# Altium PCB PCB.PcbDoc (part 1 of 10) (continued)
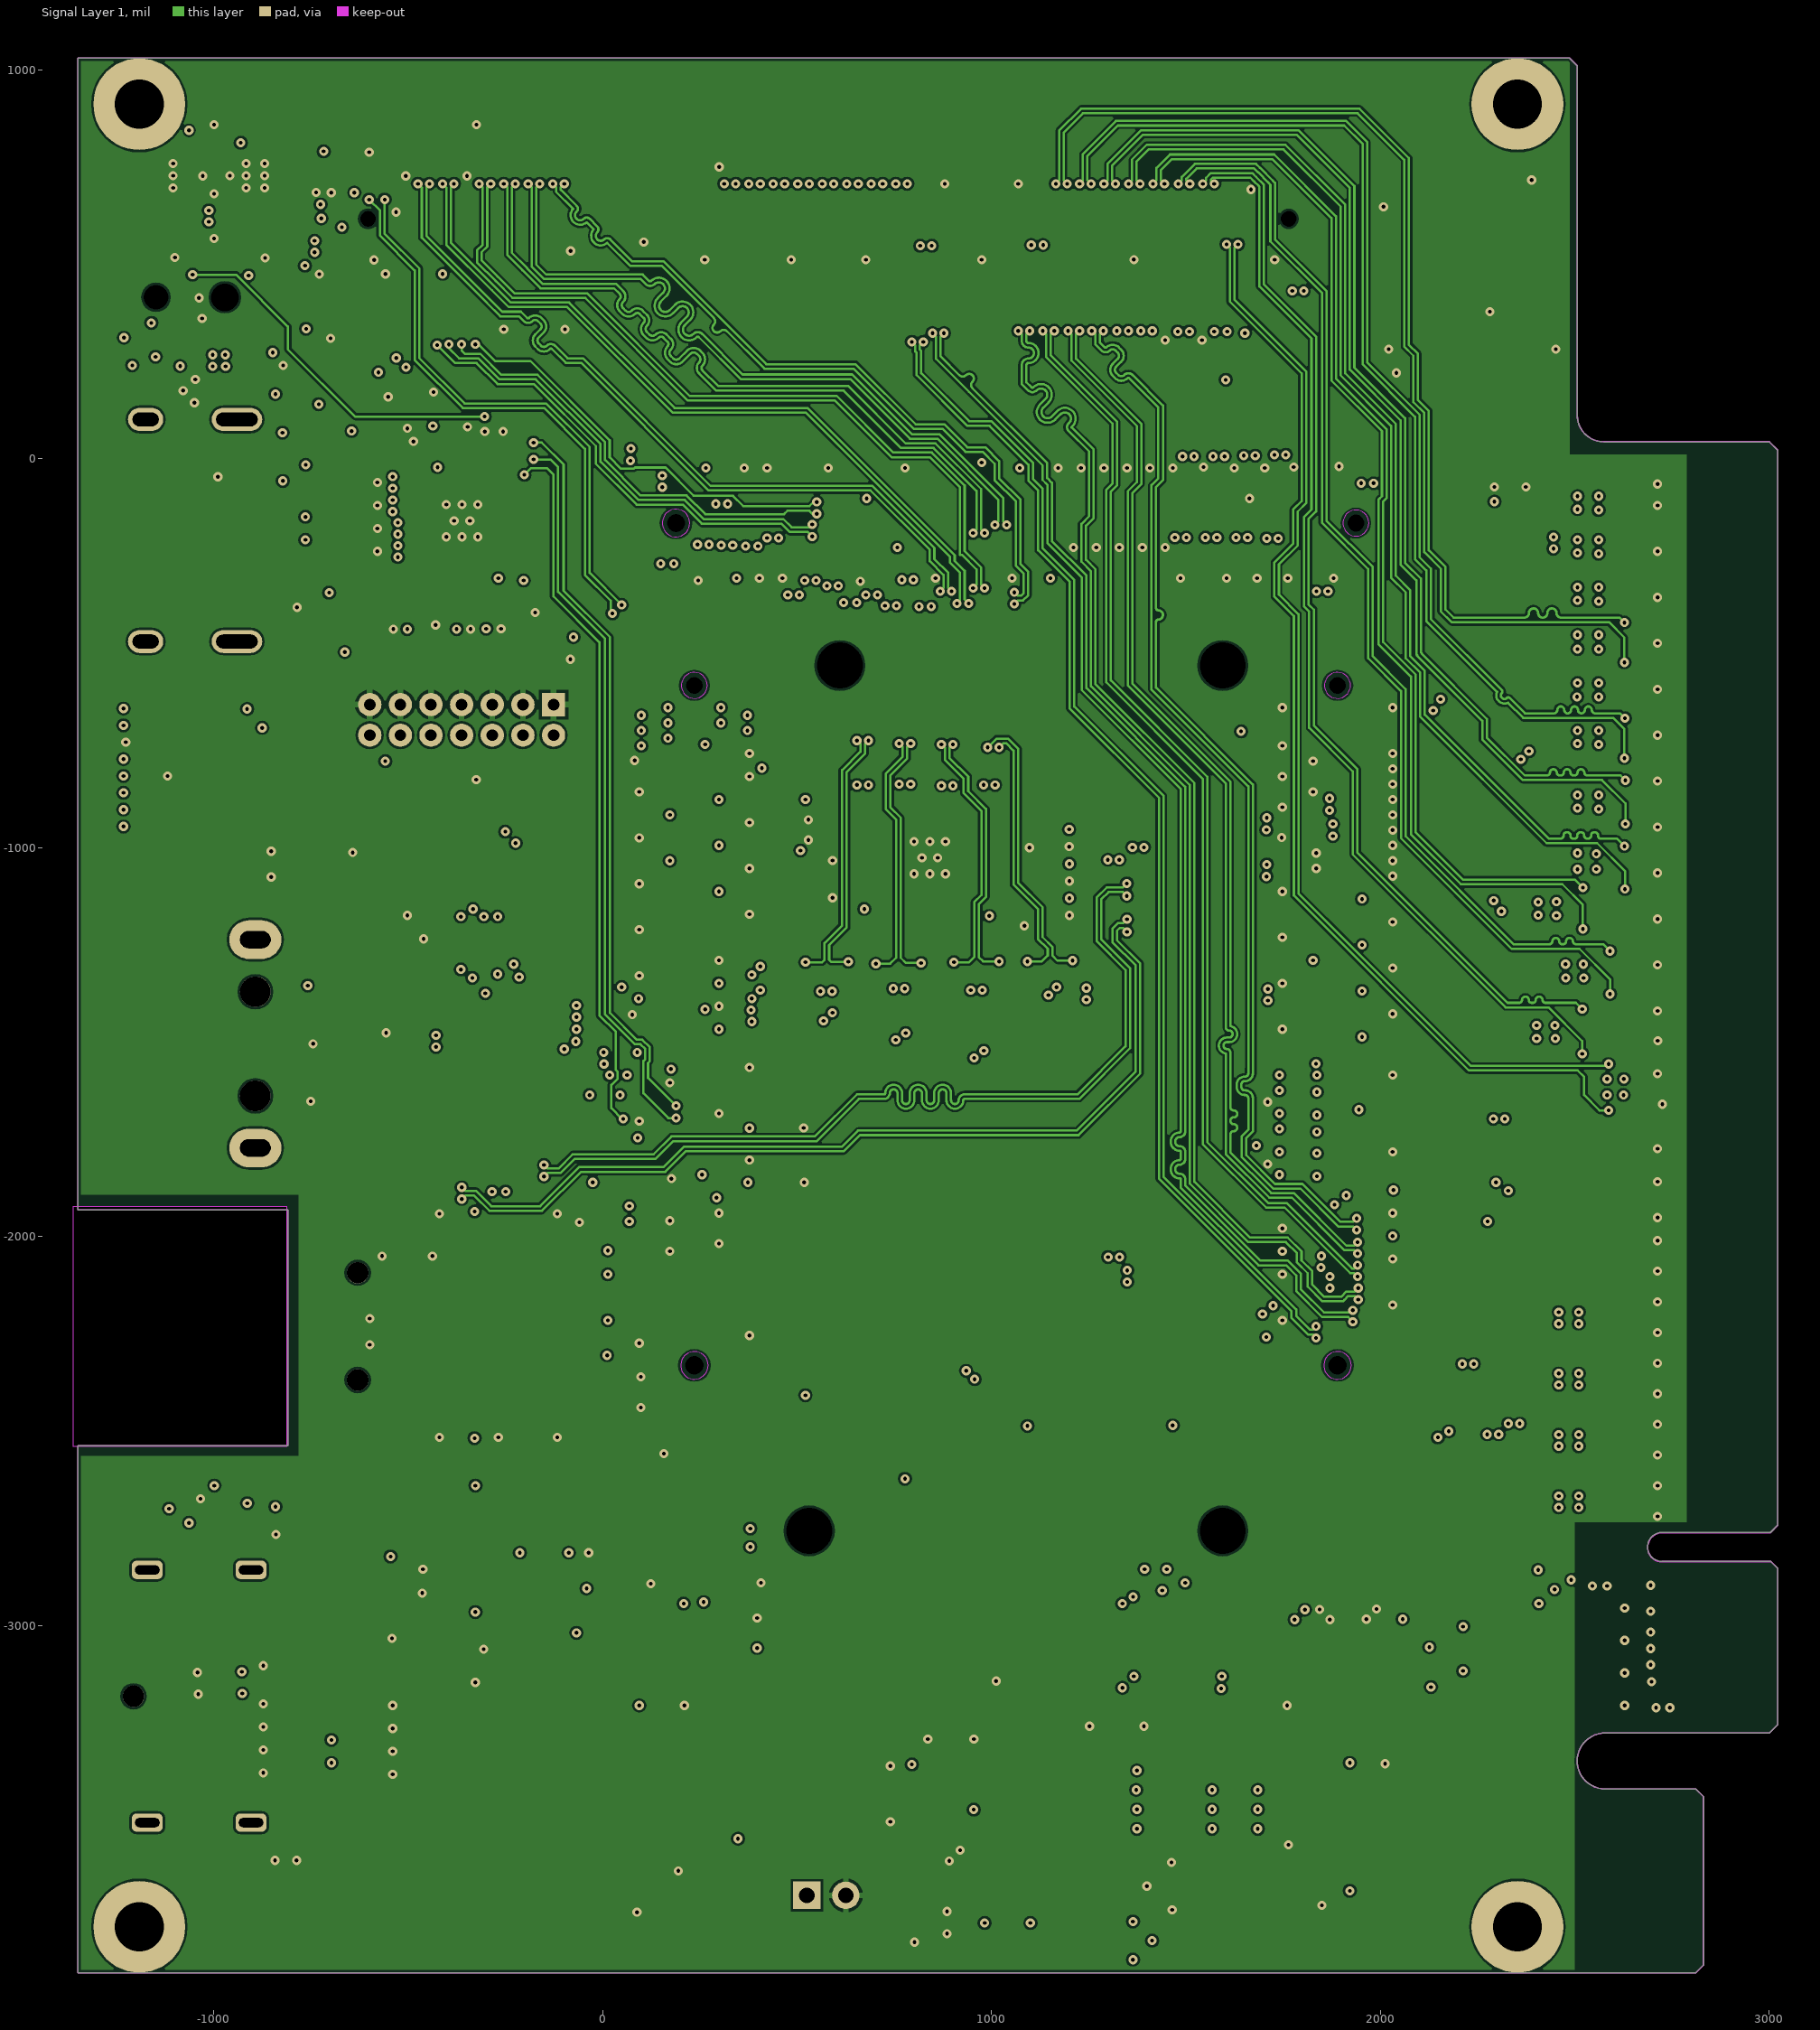
[diagram p3: Signal Layer 1]
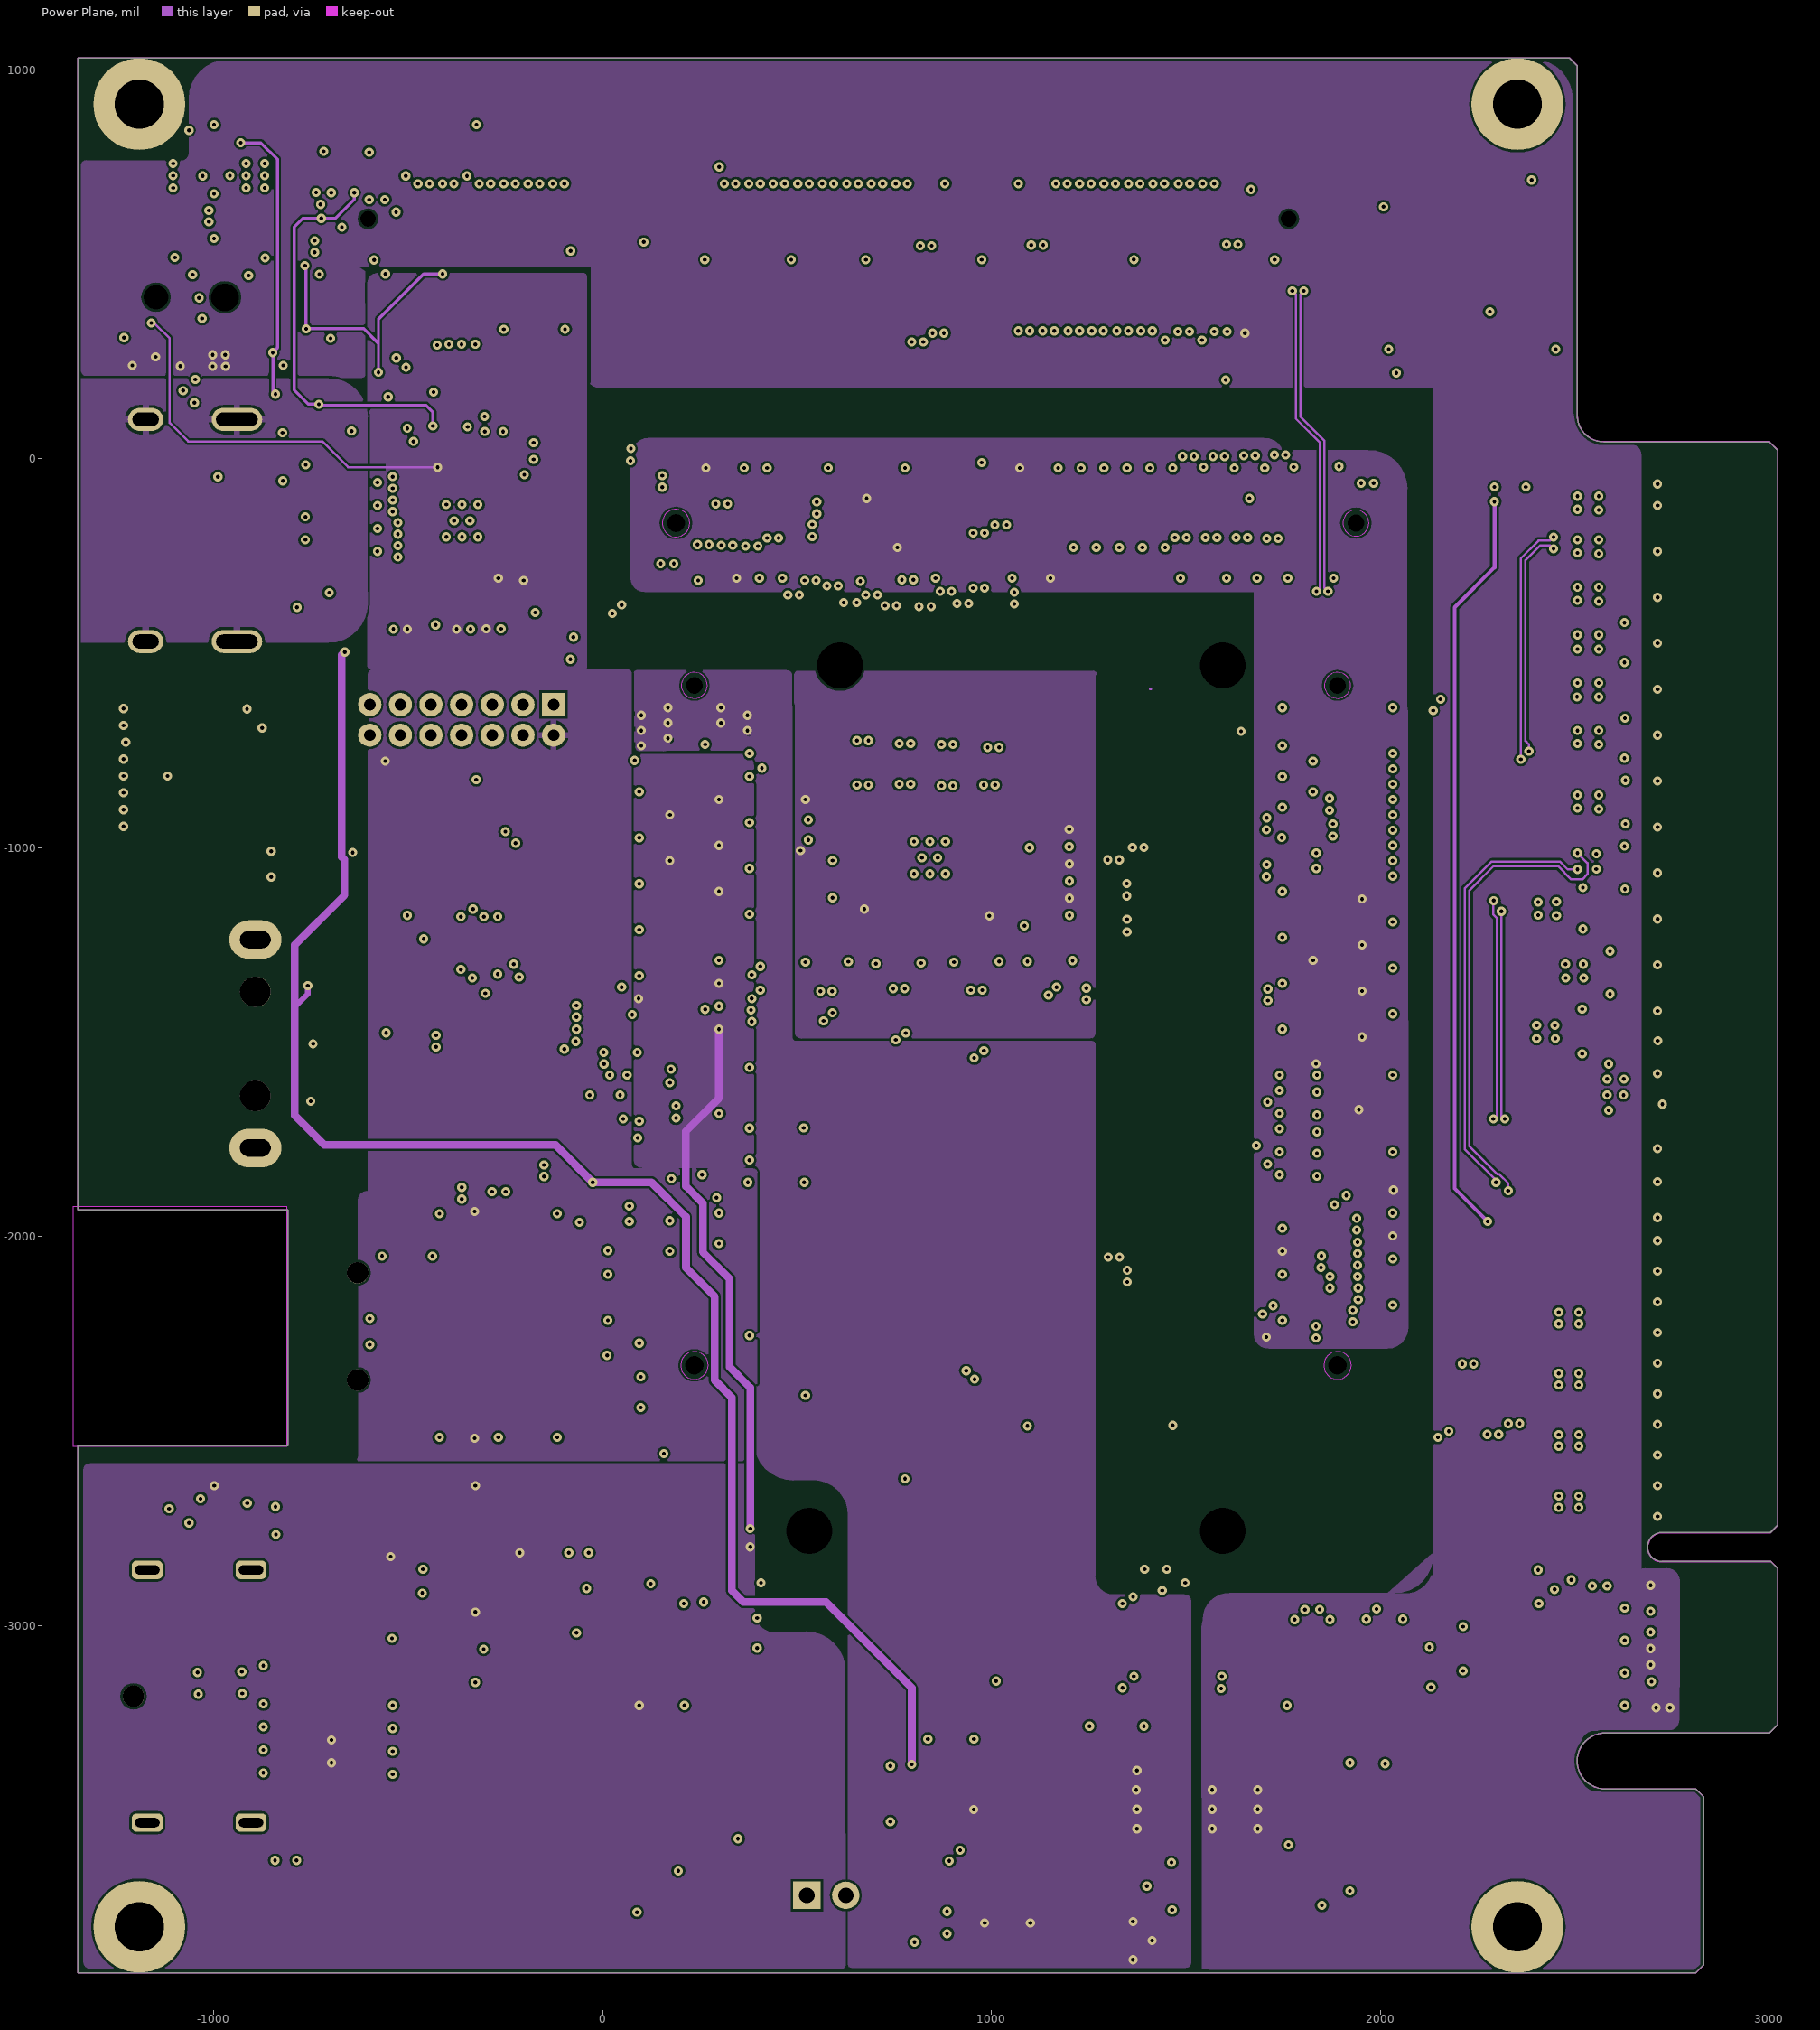
[diagram p4: Power Plane]
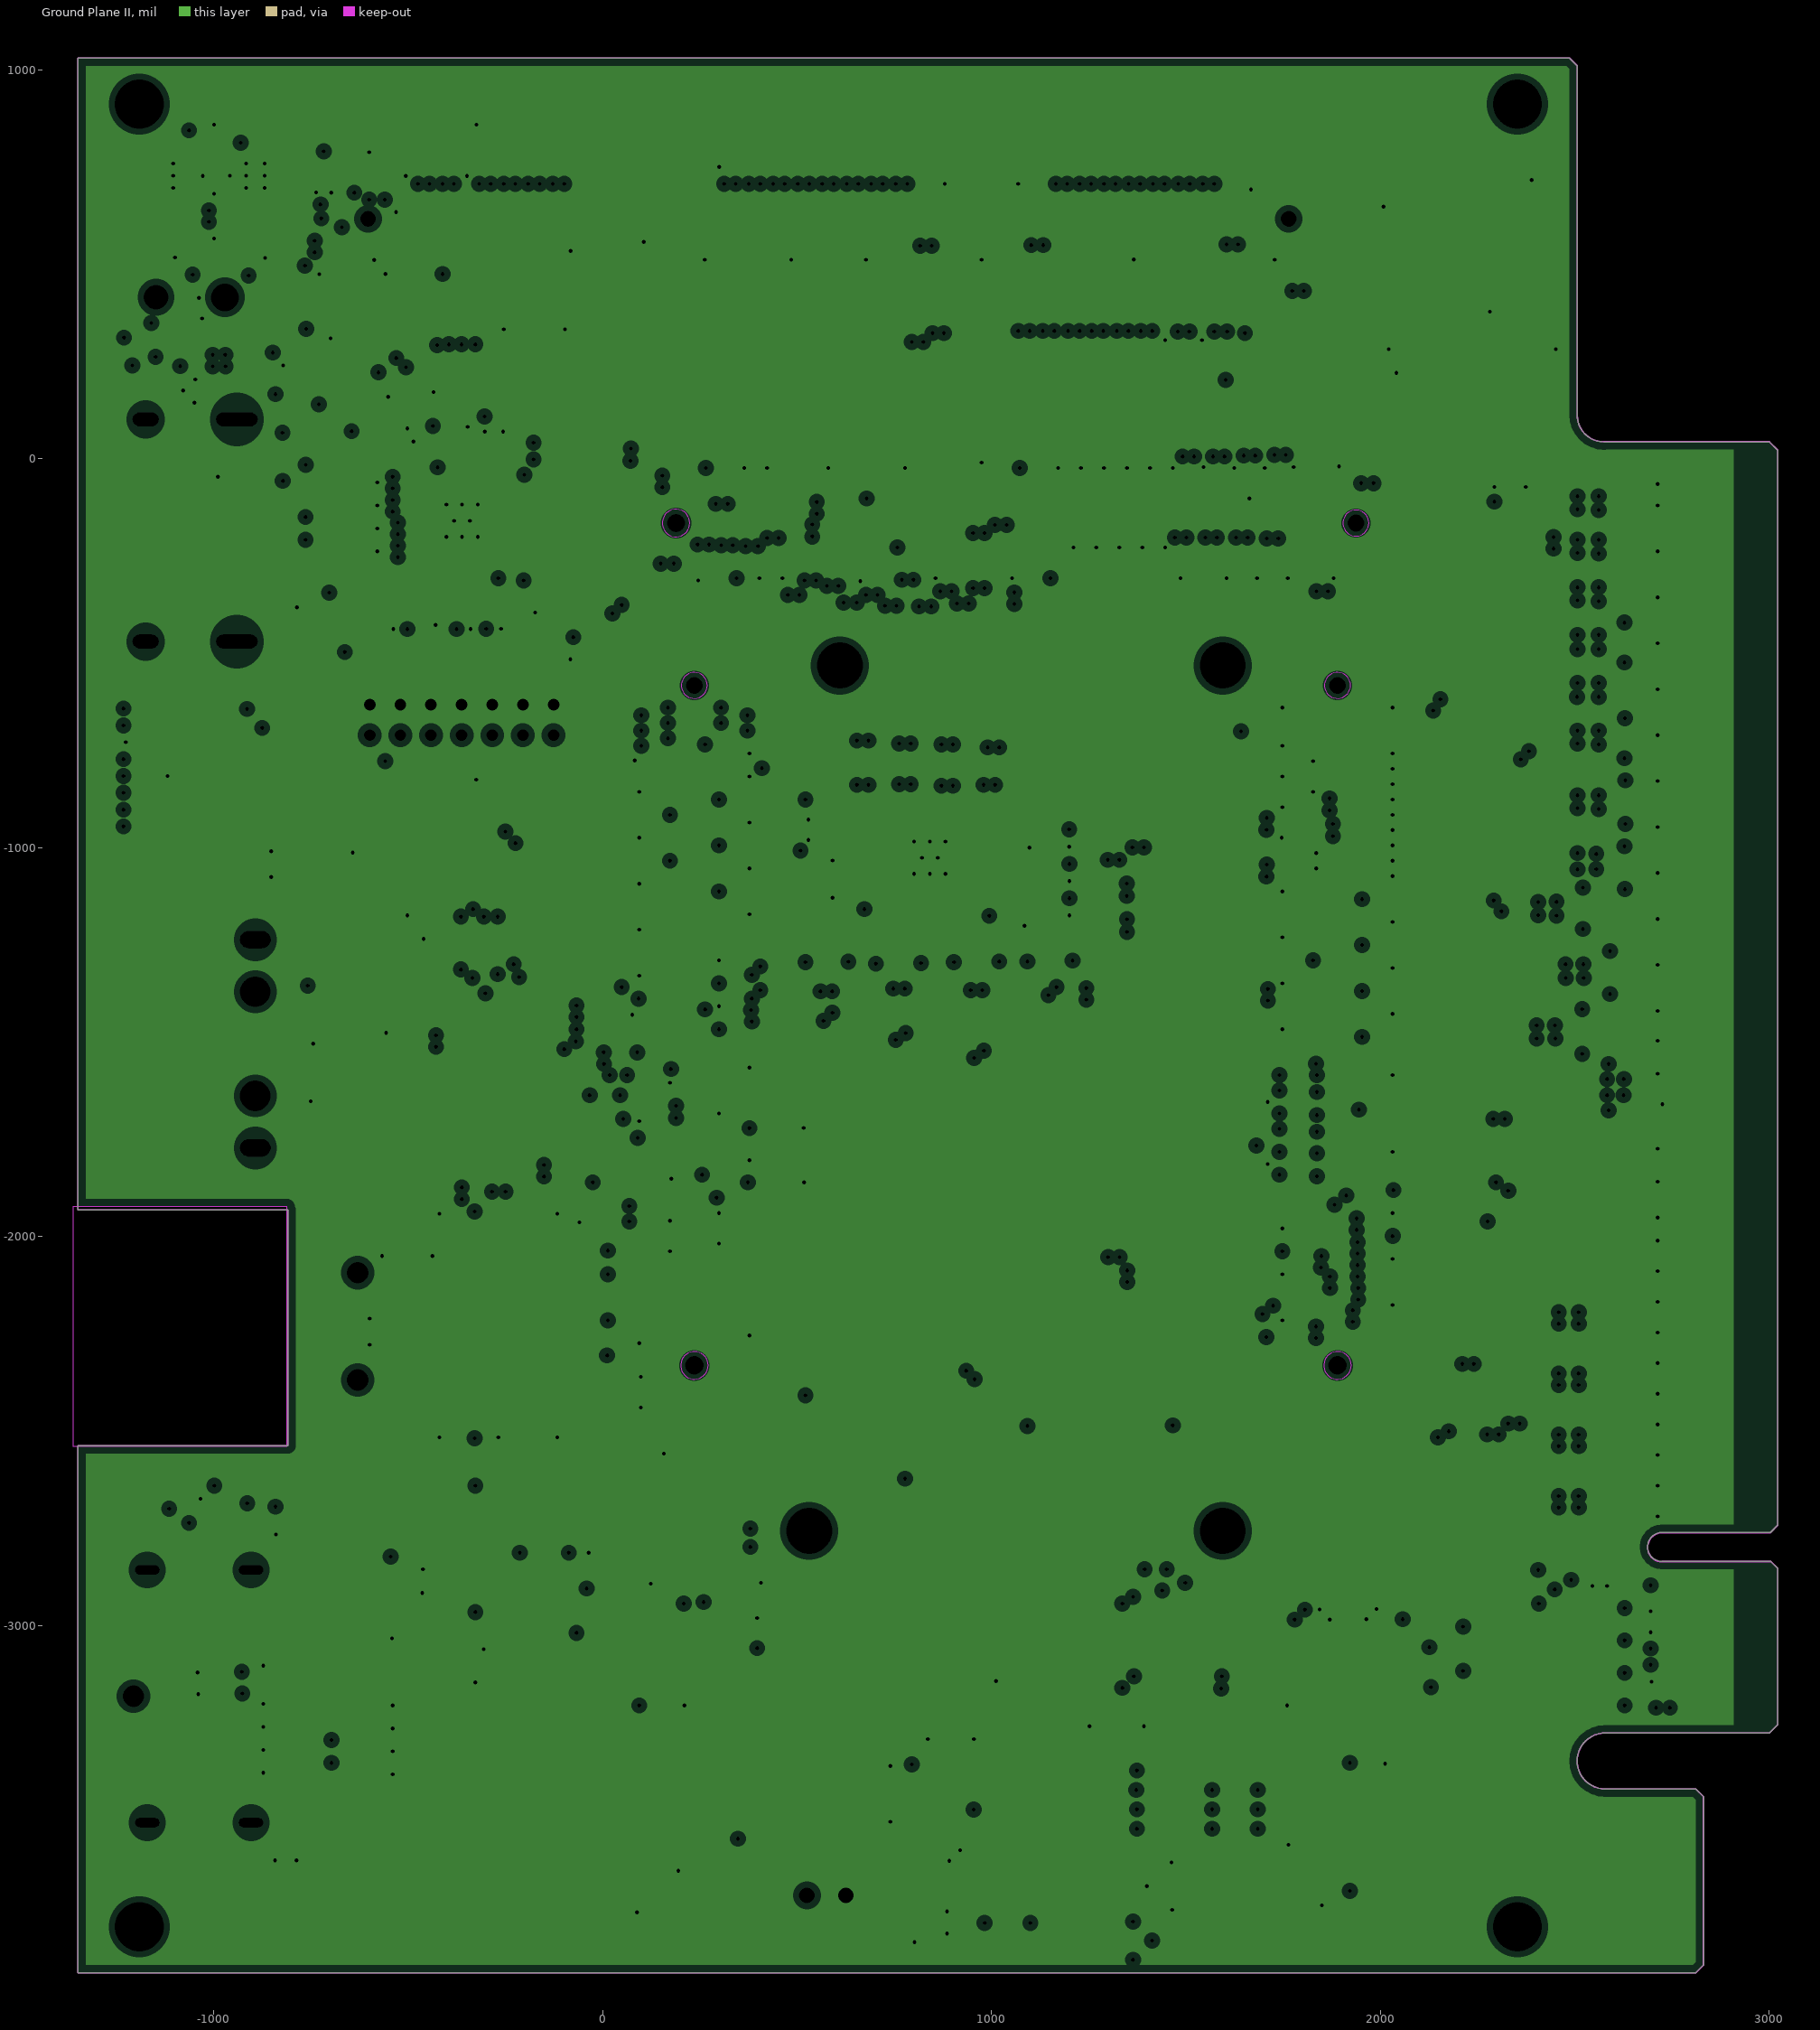
[diagram p5: Ground Plane II, clearances drawn from the general rule]

## Layer stack, top to bottom
Top Solder: solder mask 0.3937, Solder Resist, Dk 3.5
Component Side: signal copper 1.378
Dielectric 1: prepreg 6.2992, FR-4, Dk 4.6
Ground Plane I: plane copper 0.7087, net GND
Dielectric 6: prepreg 12.5984, Dk 4.6
Signal Layer 1: signal copper 0.7087
Dielectric 7: core 25.5906, Dk 4.6
Power Plane: signal copper 0.7087
Dielectric 4: prepreg 1.2598, Dk 4.6
Ground Plane II: plane copper 0.7087, net GND
Dielectric 3: prepreg 6.2992, Dk 4.6
Solder Side: signal copper 1.378
Bottom Solder: solder mask 0.3937, Solder Resist, Dk 3.5

## Board outline
-1348.43,-3891.73 -1348.43,-2537.4 -809.06,-2537.4 -809.06,-1931.1 -1348.43,-1931.1 -1348.43,1029.53 2486.22,1029.53 2505.91,1009.84 2505.91,112.2 ccw(c2574.8,112.2) 2574.8,43.31 3000,43.31 3021.65,21.65 3021.65,-2741.14 3002.95,-2759.84 2724.42,-2759.84 2724.41,-2759.84 ccw(c2724.4,-2797.24) 2724.4,-2834.65 3003.94,-2834.65 3021.65,-2852.36 3021.65,-3253.94 3000,-3275.59 2577.76,-3275.59 ccw(c2577.76,-3347.44) 2577.76,-3419.29 2811.02,-3419.29 2830.71,-3438.98 2830.71,-3872.05 2811.02,-3891.73

## Design rules (kind name [scope] priority, off if disabled: settings)
Clearance DiffPair_Clearance [All] p1 off: gap=60
Clearance Clearance-xPP-xTP-xTT [All] p2: gap=5.91
ComponentClearance [All] p1 off: gap=9.84 collisioncheckmode=3 verticalgap=9.84 showdistances=FALSE
DiffPairsRouting [All] p1: maxlimit=9.84 minlimit=5.91 mostfreqgap=5.91 toplayer_minwidth=5.91 toplayer_maxwidth=5.91 toplayer_prefwidth=5.91 midlayer1_minwidth=5.91 midlayer1_maxwidth=5.91 midlayer1_prefwidth=5.91 midlayer2_minwidth=5.91 midlayer2_maxwidth=5.91 midlayer2_prefwidth=5.91 bottomlayer_minwidth=5.91 bottomlayer_maxwidth=5.91 bottomlayer_prefwidth=5.91 maxuncoupledlength=492.13
Height [All] p1: minheight=0 maxheight=984.25 prefheight=492.13
HoleSize HoleSize-PTH [All] p1: absolutevalues=TRUE maxlimit=1102.36 minlimit=9.84 maxpercent=80.000 minpercent=20.000
HoleToHoleClearance [All] p1: gap=5.91 allowstackedmicrovias=TRUE
MinimumAnnularRing [All] p1: minimumring=3.94
MinimumSolderMaskSliver [All] p1: minsoldermaskwidth=0
PlaneClearance PlaneClearance-IPI [All] p1: clearance=15.75
PlaneConnect [All] p1: planeconnectstyle=Direct reliefexpansion=15.75 reliefentries=4 reliefconductorwidth=7.87 reliefairgap=7.87
PolygonConnect PolygonConnect-Vias [isVia] p1: connectstyle=Direct reliefconductorwidth=7.87 reliefentries=4 polygonreliefangle="90 Angle" airgapwidth=10
PolygonConnect PolygonConnect_Supplies [All vs OnLayer('Supply')] p2: connectstyle=Direct reliefconductorwidth=7.87 reliefentries=4 polygonreliefangle="90 Angle" airgapwidth=10
PolygonConnect PolygonConnect-xTW [All] p3: connectstyle=Relief reliefconductorwidth=15.75 reliefentries=4 polygonreliefangle="90 Angle" airgapwidth=7.87
RoutingCorners [All] p1: cornerstyle=45-Degree minsetback=98.43 maxsetback=98.43
RoutingVias [All] p1: holewidth=9.84 width=23.62 viastyle="Through Hole" minholewidth=9.84 minwidth=23.62 maxholewidth=9.84 maxwidth=23.62
SilkToBoardRegionClearance [All] p1 off:
SilkToSilkClearance [All] p1: silktosilkclearance=3.94
SilkToSolderMaskClearance [IsPad] p1 off: minsilkscreentomaskgap=3.54 clearancetoexposedcopper=TRUE
SolderMaskExpansion SolderMaskExpansionVias [isVia] p1: expansion=-23.62
SolderMaskExpansion [All] p2: expansion=5.91
Width Width-xTW [All] p1: maxlimit=59.06 minlimit=5.91 preferedwidth=7.87 toplayer_prefwidth=5.91 midlayer1_prefwidth=5.91 bottomlayer_prefwidth=5.91 minimp=50.000000 maximp=50.000000 favimp=50.000000
17 further rules are at their usual default settings.

## Classes and differential pairs
net class PREPROC_MGT: DP0_M2C_N DP0_M2C_P DP1_M2C_N DP1_M2C_P DP2_M2C_N DP2_M2C_P DP3_M2C_N DP3_M2C_P NetJ1_B15 NetJ1_B16 NetJ1_B19 NetJ1_B20 NetJ1_B23 NetJ1_B24 NetJ1_B27 NetJ1_B28
component class Sensor-Connector: J2
component class SoM-MGTH: C18 C47 C48 IC6 M3
component class Backplane-Connector: BS0 BS1 BS2 BS3 C1 C2 C3 C4 C5 C6 C7 C8 C9 C10 C12 C13 C19 C20 C33 C36 C37 C59 C60 C61 C62 C63 C64 C65 C66 C67 C68 C69 C70 C71 C72 C73 IC1 J1 R1 R2 R44 R46 R48 R56 R57 R60 R61 R79 R80 R81 R82 R83 R84 R85 R86 R87 R107 R108 R109 R110
net class PROC_LVDS: PREPROC_LVDS_10_N PREPROC_LVDS_10_P PREPROC_LVDS_11_N PREPROC_LVDS_11_P PREPROC_LVDS_12_N PREPROC_LVDS_12_P PREPROC_LVDS_13_N PREPROC_LVDS_13_P PREPROC_LVDS_14_N PREPROC_LVDS_14_P PREPROC_LVDS_15_N PREPROC_LVDS_15_P PROC_LVDS_9_N PROC_LVDS_9_P
component class Interfaces: C15 C21 C22 C35 C95 C96 D3 D4 D6 DONE J4 J5 JTAG L3 L4 L5 L6 LED1 LED4 POR Q1 Q2 R6 R7 R8 R9 R12 R13 R16 R17 R18 R19 R20 R21 R42 R43 R47 R49 R50 R51 R52 R53 R54 R90 R94 RA1 RST T1
component class SoM-Connectors: M1 M2 R55 R58 SP1 SP2 SP3 SP4 Z1
component class HDMI: C11 C14 C16 C17 C31 C32 C34 C79 C80 C81 C82 C83 C84 C85 C86 C87 C88 C89 C90 C91 C92 D1 IC2 IC8 IC9 J7 L1 L7 R4 R5 R10 R11 R14 R15 R22 R62 R63 R64 R65 R66 R67 R68 R69 R70 R71 R72 R73 R74 R75 R76 R77 R78 R88 R89 R95 R96 R97 R98 R99 R100 R101 R102 R103 R104 R105 R106 TP1 TP2
component class Supplies: BAT C23 C24 C25 C26 C27 C30 C52 FAN FAN1 IC5 IC7 J3 L2 LED3 LED5 Q4 R3 R37 R38 R39 R40 R41 R59 R111 T2 T3
component class Debug: C49 C50 C53 C54 C55 C56 C57 C74 C75 C76 C77 C78 C97 D8 D9 D10 DEBUG IC3 IC4 L9 PWR_USB R35 R36 R45 R91 R92 R93 Y1
component class Display-Port: C28 C29 C39 C40 C41 C42 C43 C44 C45 C46 D2 D7 IC10 IC12 IC13 J6 R23 R24 R25 R26 R27 R28 R29 R30 R31 R32 R33 R34
differential pair LVDS_CLK_S2: +LVDS_CLK_S2_P -LVDS_CLK_S2_N
differential pair LVDS_CLK_S1: +LVDS_CLK_S1_P -LVDS_CLK_S1_N
differential pair LVDS_S2_OUTCLK: +LVDS_S2_OUTCLK_P -LVDS_S2_OUTCLK_N
differential pair LVDS_S2_D16: +LVDS_S2_D16_P -LVDS_S2_D16_N
differential pair LVDS_S2_D15: +LVDS_S2_D15_P -LVDS_S2_D15_N
differential pair LVDS_S2_D14: +LVDS_S2_D14_P -LVDS_S2_D14_N
differential pair LVDS_S2_D13: +LVDS_S2_D13_P -LVDS_S2_D13_N
differential pair LVDS_S2_D12: +LVDS_S2_D12_P -LVDS_S2_D12_N
differential pair LVDS_S2_D11: +LVDS_S2_D11_P -LVDS_S2_D11_N
differential pair LVDS_S2_D10: +LVDS_S2_D10_P -LVDS_S2_D10_N
differential pair LVDS_S2_D9: +LVDS_S2_D9_P -LVDS_S2_D9_N
differential pair LVDS_S2_D8: +LVDS_S2_D8_P -LVDS_S2_D8_N
differential pair LVDS_S2_D7: +LVDS_S2_D7_P -LVDS_S2_D7_N
differential pair LVDS_S2_D6: +LVDS_S2_D6_P -LVDS_S2_D6_N
differential pair LVDS_S2_D5: +LVDS_S2_D5_P -LVDS_S2_D5_N
differential pair LVDS_S2_D4: +LVDS_S2_D4_P -LVDS_S2_D4_N
differential pair LVDS_S2_D3: +LVDS_S2_D3_P -LVDS_S2_D3_N
differential pair LVDS_S2_D2: +LVDS_S2_D2_P -LVDS_S2_D2_N
differential pair LVDS_S2_D1: +LVDS_S2_D1_P -LVDS_S2_D1_N
differential pair LVDS_S2_CTRL: +LVDS_S2_CTRL_P -LVDS_S2_CTRL_N
differential pair LVDS_S1_OUTCLK: +LVDS_S1_OUTCLK_P -LVDS_S1_OUTCLK_N
differential pair LVDS_S1_D16: +LVDS_S1_D16_P -LVDS_S1_D16_N
differential pair LVDS_S1_D15: +LVDS_S1_D15_P -LVDS_S1_D15_N
differential pair LVDS_S1_D14: +LVDS_S1_D14_P -LVDS_S1_D14_N
differential pair LVDS_S1_D13: +LVDS_S1_D13_P -LVDS_S1_D13_N
differential pair LVDS_S1_D12: +LVDS_S1_D12_P -LVDS_S1_D12_N
differential pair LVDS_S1_D11: +LVDS_S1_D11_P -LVDS_S1_D11_N
differential pair LVDS_S1_D10: +LVDS_S1_D10_P -LVDS_S1_D10_N
differential pair LVDS_S1_D9: +LVDS_S1_D9_P -LVDS_S1_D9_N
differential pair LVDS_S1_D8: +LVDS_S1_D8_P -LVDS_S1_D8_N
differential pair LVDS_S1_D7: +LVDS_S1_D7_P -LVDS_S1_D7_N
differential pair LVDS_S1_D6: +LVDS_S1_D6_P -LVDS_S1_D6_N
differential pair LVDS_S1_D5: +LVDS_S1_D5_P -LVDS_S1_D5_N
differential pair LVDS_S1_D4: +LVDS_S1_D4_P -LVDS_S1_D4_N
differential pair LVDS_S1_D3: +LVDS_S1_D3_P -LVDS_S1_D3_N
differential pair LVDS_S1_D2: +LVDS_S1_D2_P -LVDS_S1_D2_N